# Altium PCB Booster_Main_Board.PcbDoc (part 13 of 13)
Units mm, origin at the board's own origin, x right, y up, seen from the top; angles counter-clockwise.
Board outline 400.01 x 117.51 mm, 4 copper layers (Component Side, Signal Layer 1, Power Plane, Solder Side), stack 1.604 mm thick; 1091 components, 573 nets, 3133 pads, 1954 vias.
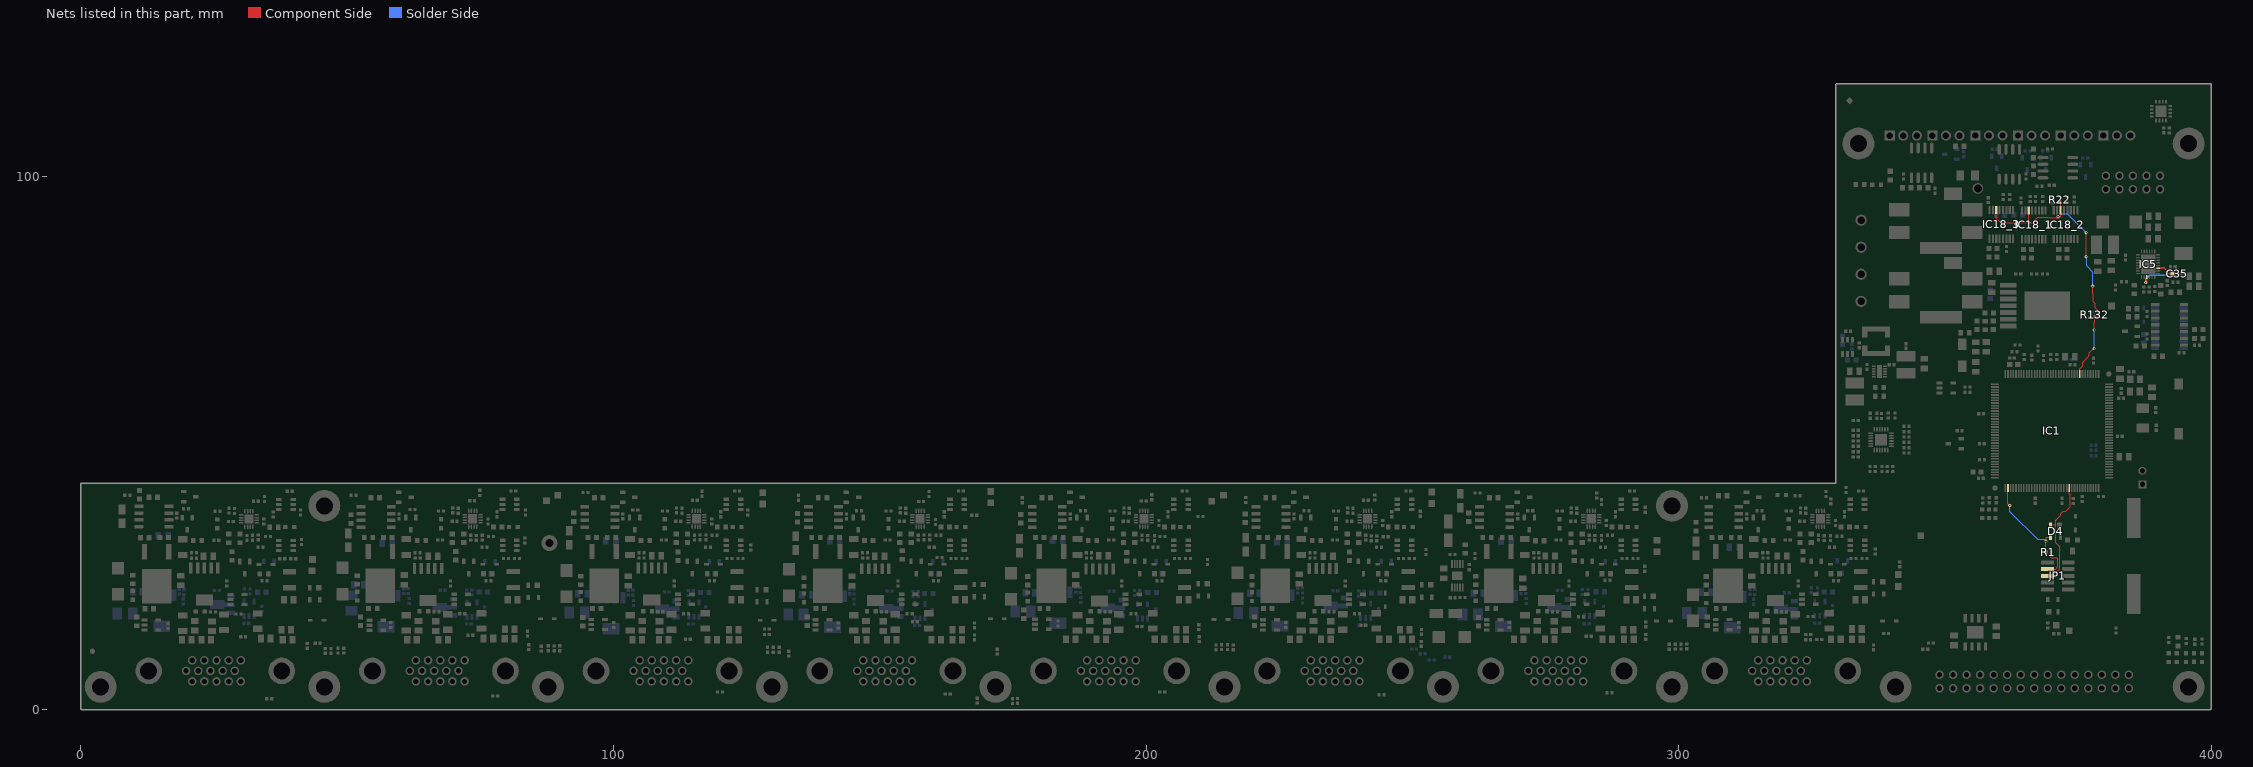
[diagram p15: the nets of this part, all layers, seen from the top]

## Via types
v1: diameter 0.6, hole 0.3, Component Side to Solder Side, tented both sides, 1808 vias
v2: diameter 0.6, hole 0.3, Component Side to Solder Side, 77 vias
v3: diameter 0.5, hole 0.3, Component Side to Solder Side, 40 vias
v4: diameter 1.27, hole 0.711, Component Side to Solder Side, tented both sides, 24 vias
v5: diameter 1.2, hole 0.8, Component Side to Solder Side, tented both sides, 5 vias

## Nets (pads, with @x,y where several pads share a name; then routed paths per layer and width w, separated by ;. In a path a pad name is that pad's centre, name@x,y a point inside that pad or via, vN(x,y) a via of type N, cw(c..) or ccw(c..) an arc to the next point about the centre after c; other vN are vias at no path point) (continued)
TDI: D4.3 IC1.110 JP1.8 R1.2 | length 23.6
  Component Side w0.152: IC1.110@361.803,41.599 361.803,38.679 v1(362.153,38.329) ; JP1.8@369.22,26.365 370.738,26.365 371.196,26.822 371.196,28.219 370.929,28.486 369.964,28.486 368.922,29.528 R1.2@368.922,29.566 368.935,29.578 v1(368.935,31.623) 368.978,31.666 368.978,32.254 369.078,32.354 D4.3@369.778,32.354
  Solder Side w0.152: v1(362.153,38.329) 362.153,37.133 367.359,31.928 368.579,31.928 368.884,31.623 v1(368.935,31.623)
TDO: D4.2 IC1.133 JP1.6 | length 19.6
  Component Side w0.152: D4.2@369.778,34.654 370.65,34.654 370.75,34.754 ; JP1.6@370.307,25.273 371.5,26.467 371.5,30.526 370.75,31.277 370.75,34.754 ; IC1.133@373.303,41.599 373.303,40.474 373.477,40.299 373.477,38.041 372.678,37.243 372.219,37.243 371.699,36.723 371.699,36.473 370.75,35.524 370.75,34.754
THERMN: IC1.44 IC18_1.6 IC18_2.6 IC18_3.6 R22.2 R132.1 | length 55.6
  Component Side w0.152: IC18_3.6@359.601,93.804 359.601,92.254 360.473,91.381 365.669,91.381 v1(365.696,91.408) ; IC18_1.6@365.701,93.704 365.701,91.414 v1(365.696,91.408) ; v1@371.193,92.304 369.726,92.304 369.572,92.458 367.384,92.458 366.807,91.88 366.807,91.685 366.497,91.375 365.729,91.375 v1(365.696,91.408) ; v1(371.193,92.527) 371.576,92.527 371.676,92.627 IC18_2.6@371.676,93.754 371.676,95.137 R22.2@371.528,95.284 ; IC1.44@375.303,62.999 375.303,63.996 375.811,64.504 375.811,65.158 377.007,66.354 377.007,66.488 377.062,66.542 377.062,67.018 377.797,67.754 v1(377.977,67.754) ; v1(376.477,85.004) v1(376.478,89.504) ; v1(377.728,79.504) 377.728,79.004 377.756,78.976 377.756,78.285 377.768,78.273 377.768,76.572 378.159,76.18 378.159,75.45 378.249,75.361 378.309,75.361 378.666,75.004 378.666,74.198 378.148,73.679 R132.1@378.128,73.679 378.128,72.839 377.978,72.689 v1(377.978,71.254)
  Solder Side w0.152: v1(371.193,92.527) 371.458,92.527 371.48,92.504 372.009,93.032 372.95,93.032 v1(376.478,89.504) ; v1(376.477,85.004) 376.562,84.92 376.562,83.283 377.728,82.116 v1(377.728,79.504) ; v1(377.977,67.754) v1(377.978,71.254)
VIN_REG_N7: C35.2 IC5.11 IC5.17 | length 9.8
  Component Side w0.254: v1(387.677,80.152) 387.677,80.33 387.858,80.512 IC5.11@387.858,81.207 ; IC5.17@390.008,82.857 390.518,82.857 390.598,82.936 391.086,82.936 391.664,82.358 v1(391.664,81.753) 391.69,81.778 C35.2@392.769,81.778
  Solder Side w0.254: v1(387.677,80.152) 387.677,80.787 388.443,81.554 391.466,81.554 v1(391.664,81.753)
pads on no net: FTG1.FTG2 FTG2.FTG2 FTG3.1 FTG4.1 IC1.7 IC1.8 IC1.9 IC1.46 IC1.47 IC1.50 IC1.53 IC1.87 IC1.88 IC1.92 IC1.96 IC1.97 IC1.100 IC1.112 IC1.113 IC1.135 IC1.FTG1 IC1.FTG2 IC3.5 IC4.4 IC4.7 IC8.4 IC9_1.7 IC9_2.7 IC9_3.7 IC9_4.7 IC9_5.7 IC9_6.7 IC9_7.7 IC9_8.7 IC12.7 IC18_1.7 IC18_2.7 IC18_3.7 IC24.11 IC25.1 IC25.2 IC25.14 JP1.7 JP1.9 U1_1.8 U1_2.8 U1_3.8 U1_4.8 U1_5.8 U1_6.8 U1_7.8 U1_8.8

## Polygon pours and split planes (outlines as drawn)
P30V0 on Solder Side "Solder Side-No Net" (solid, remove dead copper, pour order 58): 344.728,66.254 351.728,73.254 351.728,80.837 354.478,83.587 354.478,95.254 338.978,95.254 330.478,86.754 330.478,42.504 0.228,42.504 0.228,25.504 339.728,25.504 344.728,30.504
P6V5 on Solder Side "Solder Side-No Net" (solid, remove dead copper, pour order 68): 334.128,10.654 351.728,28.254 351.728,63.254 353.728,65.254 353.728,71.504 350.522,71.504 344.728,65.711 344.728,30.254 339.728,25.254 21.728,25.254 21.683,20.154 31.574,10.654
GND on Solder Side "ML1_BAL" (solid, remove dead copper, pour order 48): 0.728,25.254 21.478,25.254 21.478,20.004 31.119,10.363 334.741,10.363 352.228,27.85 352.228,29.754 352.228,63.254 352.728,63.754 353.978,65.004 353.978,66.254 353.978,72.004 352.228,72.004 352.228,80.754 352.728,81.254 354.978,83.504 354.978,85.754 354.978,95.59 380.728,95.59 380.728,79.254 383.978,76.004 387.728,76.004 395.978,76.004 397.228,77.254 397.228,78.754 397.228,94.254 396.978,94.504 396.909,94.435 388.228,94.435 384.722,94.435 383.153,96.004 352.728,96.004 345.978,96.004 339.228,96.004 334.478,91.254 331.728,88.504 331.478,88.504 330.728,87.754 330.228,87.254 329.754,87.254 329.978,87.479 329.978,110.254 399.478,110.254 399.728,110.004 399.478,109.754 399.478,0.66 0.728,0.66
N8V0 on Solder Side "Top-No Net" (solid, remove dead copper, pour order 28): 381.028,93.754 396.728,93.754 396.728,77.254 395.728,76.254 388.728,76.254 385.728,76.254 384.228,76.254 383.228,77.254 381.028,79.454
P3V3 on Signal Layer 1 "Signal Layer 1-P3V3" (solid, remove dead copper, pour order 78): 338.228,36.073 346.048,36.073 346.228,36.254 346.228,36.754 344.228,38.754 344.228,85.254 377.228,85.254 377.228,93.938 378.159,94.869 395.113,94.869 395.113,74.639 394.728,74.254 386.728,74.254 380.728,80.254 351.228,80.254 351.228,40.772 351.211,40.754 361.228,30.736 361.228,20.754 353.228,12.754 347.358,12.754 346.728,12.124 346.728,0.754 399.228,0.754 399.728,0.754 399.728,116.535 329.728,116.535 329.728,42.779 329.754,42.754 329.228,42.754 329.228,41.754 0.233,41.754 0.472,1.295 27.478,1.295 27.478,11.254 26.228,12.504 26.228,16.254 26.228,17.254 26.938,17.964 338.228,17.964
N8V0 on Signal Layer 1 "Signal Layer 1-No Net" (solid, remove dead copper, pour order 66): 384.428,80.754 384.428,84.454 384.428,94.166 377.728,94.166 377.728,84.807 350.478,84.754 344.728,84.754 344.728,39.004 351.663,32.069 351.663,20.254 340.437,20.254 336.866,17.606 27.062,17.606 27.062,12.254 336.728,12.254 345.728,12.254 346.728,13.254 352.728,13.254 360.728,21.254 360.728,30.254 350.478,40.504 350.478,80.754
N8V0R on Signal Layer 1 "Signal Layer 1-No Net 1" (solid, remove dead copper, pour order 76): 384.928,94.254 394.728,94.254 394.728,75.054 394.328,74.654 386.928,74.654 384.828,76.754 384.828,94.154
P12V0 on Component Side "Top-No Net" (solid, remove dead copper, pour order 26): 353.328,82.254 375.728,82.254 376.728,83.254 376.728,84.254 377.228,84.754 386.728,84.754 386.728,83.254 385.728,83.254 381.728,79.254 353.328,79.254
P3V3 on Component Side "ML1_BAL" (solid, remove dead copper, pour order 32): 334.969,68.104 340.228,68.079 340.228,71.004 345.478,71.004 348.478,68.004 348.978,67.504 348.978,66.004 348.978,64.004 347.728,62.754 345.228,60.254 344.228,60.254 340.728,60.254 340.228,60.754 338.728,62.254 338.728,63.754 338.728,64.504 337.978,65.254 334.978,65.254
N8V0R on Component Side "Signal Layer 1-No Net 1" (solid, remove dead copper, pour order 70): 389.228,93.954 389.228,87.654 388.128,87.654 387.928,87.454 387.928,85.524 387.828,85.424 387.828,84.954 387.658,84.954 387.358,84.654 385.228,84.654 384.828,85.054 380.228,85.054 380.228,85.154 380.228,89.654 387.328,89.654 387.328,93.754 387.528,93.954
GND on Component Side "Signal Layer 1-No Net 1" (solid, pour order 62): 345.228,88.754 352.728,88.754 352.728,91.254 357.728,91.254 357.728,85.254 357.628,85.154 357.628,84.154 359.228,84.154 359.228,81.754 345.228,81.754
P30V0 on Component Side "Signal Layer 1-No Net 1" (solid, remove dead copper, pour order 60): 345.228,89.254 352.228,89.254 352.228,91.754 357.228,91.754 357.228,101.535 357.009,101.754 354.228,101.754 354.228,96.754 353.728,96.254 345.228,96.254
NetC23_2 on Component Side "ML1_BAL" (solid, remove dead copper, pour order 38): 388.265,87.513 397.478,87.513 397.478,83.004 395.228,83.004 394.978,82.754 393.478,82.754 391.933,82.754 391.478,83.209 391.183,83.504 389.478,83.504 389.478,85.254 389.228,85.504 387.978,85.504
GND on Component Side "Signal Layer 1-No Net 1" (solid, remove dead copper, pour order 64): 357.728,78.754 344.228,78.754 344.228,71.754 354.728,71.754 354.728,74.254 358.228,74.254 358.228,76.594 358.888,77.254 359.728,77.254 359.728,78.754
GND on Component Side "ML1_BAL" (solid, remove dead copper, pour order 36): 389.478,94.004 389.478,87.504 397.478,87.504 397.478,93.754 397.228,94.004 389.728,94.004
N8V0 on Component Side "Signal Layer 1-No Net 1" (solid, remove dead copper, pour order 72): 383.128,93.554 383.128,89.954 380.028,89.954 380.028,84.954 379.928,84.854 379.828,84.954 377.206,84.954 376.828,85.332 376.828,92.354 378.028,93.554
GND on Component Side "Signal Layer 1-No Net 1" (solid, remove dead copper, pour order 74): 383.328,93.554 387.276,93.554 387.276,89.754 383.328,89.754
GND on Power Plane (split plane): 399.472,0.51 0.484,0.51 0.484,41.998 329.499,41.998 329.599,42.008 329.695,42.037 329.783,42.084 329.86,42.147 329.924,42.225 329.971,42.313 330,42.409 330.01,42.508 330.01,116.998 399.472,116.998

## Keep-outs
Keep-Out Layer:
  lines w0.1: 329.728,42.254 0.228,42.254 0.228,0.374 399.728,0.374 399.728,117.254 329.754,117.254 329.754,42.33

## Other copper
Component Side:
  rectangle net GND: 71.86,27.82 72.504,28.321
  rectangle net GND: 183.228,36.454 183.828,37.054
  rectangle net GND: 370.835,87.317 371.041,87.654
  rectangle net I2C6_SCL: 341.655,49.954 342.107,50.394
  rectangle net NetC23_2: 388.358,86.584 389.928,86.882
  rectangle net Output_overdrive0: 45.628,9.854 46.128,10.389
  rectangle net NetD6_1_2: 328.77,17.78 329.332,18.254
  rectangle net NetC23_2: 390.471,83.854 391.183,85.854
  rectangle net TACH1: 368.078,94.403 368.428,95.154
  rectangle net TACH2: 366.803,94.403 367.157,95.22
  rectangle net P3V3: 302.86,36.936 303.728,38.954
  rectangle net P3V3: 302.428,23.177 303.628,25.308
  rectangle net NetR12_1_2: 308.128,28.756 310.628,30.879
  rectangle net NetR12_2_2: 265.429,29.34 267.128,30.543
  rectangle net NetR12_3_2: 223.628,29.354 225.265,30.734
  rectangle net P12V0: 384.528,83.857 385.728,84.354
  rectangle net P30V0: 345.728,89.754 351.728,93.754
  rectangle net NetC21_2: 384.164,23.495 386.664,27.995
  rectangle net P6V5: 350.728,67.679 352.378,69.329
  rectangle net GND: 345.415,62.89 346.812,63.551
  region net GND: 331.692,62.612 331.692,64.612 330.911,64.612 330.911,62.612
  rectangle net P3V3: 338.43,64.567 339.065,65.43
  region net GND: 386.588,29.337 386.588,36.728 384.251,36.728 384.251,29.337
  rectangle net P30V0: 59.374,30.738 62.549,32.643
  rectangle net GND: 60.237,26.978 61.99,29.01
  rectangle net GND: 79.617,18.647 80.71,20.146
  rectangle net GND: 63.184,16.158 66.968,17.707
  rectangle net GND: 62.701,16.082 64.022,18.825
  rectangle net GND: 62.599,18.749 64.047,21.619
  rectangle net P6V5: 66.13,23.346 66.79,25.734
  rectangle net P6V5: 66.333,23.346 67.629,25.2
  rectangle net GND: 64.733,23.321 65.622,29.645
  rectangle net P30V0: 101.374,30.738 104.549,32.643
  rectangle net GND: 102.237,26.978 103.99,29.01
  rectangle net GND: 121.617,18.647 122.71,20.146
  rectangle net GND: 105.184,16.158 108.968,17.707
  rectangle net GND: 104.701,16.082 106.022,18.825
  rectangle net GND: 104.599,18.749 106.047,21.619
  rectangle net P6V5: 108.13,23.346 108.79,25.734
  rectangle net P6V5: 108.333,23.346 109.629,25.2
  rectangle net GND: 106.733,23.321 107.622,29.645
  rectangle net P30V0: 143.374,30.738 146.549,32.643
  rectangle net GND: 144.237,26.978 145.99,29.01
  rectangle net GND: 163.617,18.647 164.71,20.146
  rectangle net GND: 147.184,16.158 150.968,17.707
  rectangle net GND: 146.701,16.082 148.022,18.825
  rectangle net GND: 146.599,18.749 148.047,21.619
  rectangle net P6V5: 150.13,23.346 150.79,25.734
  rectangle net P6V5: 150.333,23.346 151.629,25.2
  rectangle net GND: 148.733,23.321 149.622,29.645
  rectangle net P30V0: 185.374,30.738 188.549,32.643
  rectangle net GND: 186.237,26.978 187.99,29.01
  rectangle net GND: 205.617,18.647 206.71,20.146
  rectangle net GND: 189.184,16.158 192.968,17.707
  rectangle net GND: 188.701,16.082 190.022,18.825
  rectangle net GND: 188.599,18.749 190.047,21.619
  rectangle net P6V5: 192.13,23.346 192.79,25.734
  rectangle net P6V5: 192.333,23.346 193.629,25.2
  rectangle net GND: 190.733,23.321 191.622,29.645
  rectangle net P30V0: 227.374,30.738 230.549,32.643
  rectangle net GND: 228.237,26.978 229.99,29.01
  rectangle net GND: 247.617,18.647 248.71,20.146
  rectangle net GND: 231.184,16.158 234.968,17.707
  rectangle net GND: 230.701,16.082 232.022,18.825
  rectangle net GND: 230.599,18.749 232.047,21.619
  rectangle net P6V5: 234.13,23.346 234.79,25.734
  rectangle net P6V5: 234.333,23.346 235.629,25.2
  rectangle net GND: 232.733,23.321 233.622,29.645
  rectangle net P30V0: 269.374,30.738 272.549,32.643
  rectangle net GND: 270.237,26.978 271.99,29.01
  rectangle net GND: 289.617,18.647 290.71,20.146
  rectangle net GND: 273.184,16.158 276.968,17.707
  rectangle net GND: 272.701,16.082 274.022,18.825
  rectangle net GND: 272.599,18.749 274.047,21.619
  rectangle net P6V5: 276.13,23.346 276.79,25.734
  rectangle net P6V5: 276.333,23.346 277.629,25.2
  rectangle net GND: 274.733,23.321 275.622,27.656
  rectangle net P30V0: 312.374,30.738 315.549,32.643
  rectangle net GND: 313.237,26.978 314.99,29.01
  rectangle net GND: 332.617,18.647 333.71,20.146
  rectangle net GND: 316.184,16.158 319.968,17.707
  rectangle net GND: 315.701,16.082 317.022,18.825
  rectangle net GND: 315.599,18.749 317.047,21.619
  rectangle net P6V5: 319.13,23.346 319.79,25.734
  rectangle net P6V5: 319.333,23.346 320.629,25.2
  rectangle net GND: 317.733,23.321 318.622,29.645
  rectangle net GND: 21.184,16.129 24.968,17.678
  rectangle net GND: 20.701,16.053 22.022,18.796
  rectangle net GND: 22.733,23.292 23.622,29.616
  rectangle net GND: 18.237,26.949 19.99,28.981
  rectangle net P6V5: 24.13,23.317 24.79,25.705
  rectangle net P6V5: 24.333,23.317 25.629,25.171
  rectangle net P30V0: 17.374,30.709 20.549,32.614
  rectangle net GND: 37.617,18.618 38.71,20.117
  rectangle net GND: 20.599,18.72 22.047,21.59
  rectangle net NetC50_2: 334.035,63.297 336.347,64.11
  rectangle net NetC50_2: 333.248,60.96 334.493,63.144
  rectangle net NetC21_2: 358.877,15.24 360.782,19.177
  rectangle net NetC21_2: 353.466,18.186 360.782,19.355
  rectangle net NetC21_2: 357.302,17.729 357.861,18.771
  rectangle net NetC21_2: 353.466,17.704 354.076,18.644
  rectangle net NetC21_2: 393.268,17.882 396.037,20.726
  rectangle net GND: 350.952,13.284 360.299,14.376
  rectangle net GND: 38.862,15.494 40.03,16.789
  rectangle net GND: 80.874,15.646 82.042,16.942
  rectangle net GND: 122.86,15.697 124.028,16.993
  rectangle net GND: 164.846,15.672 166.014,16.967
  rectangle net GND: 206.883,15.646 208.051,16.942
  rectangle net GND: 248.844,15.672 250.012,16.967
  rectangle net GND: 290.855,15.596 292.024,16.891
  rectangle net GND: 333.883,15.596 335.026,17.424
  rectangle net GND: 350.444,13.056 358.521,16.078
  rectangle net GND: 358.369,11.303 360.578,14.097
  rectangle net P30V0: 213.228,31.754 216.728,36.754
  rectangle net P30V0: 86.978,30.504 89.228,37.004
  rectangle net P30V0: 170.228,31.754 174.228,36.254
  rectangle net P30V0: 128.478,31.004 132.478,36.504
Signal Layer 1:
  rectangle net GND: 38.928,15.608 39.911,16.637
  rectangle net GND: 80.97,15.754 81.928,16.777
  rectangle net GND: 164.921,15.786 165.928,16.802
  rectangle net GND: 61.028,27.169 61.928,28.27
  rectangle net GND: 248.882,15.824 249.949,16.754
  rectangle net GND: 145.028,27.236 146.028,28.185
  rectangle net GND: 122.855,15.779 123.955,16.838
  rectangle net GND: 102.28,27.169 104.028,28.287
  rectangle net GND: 106.628,23.454 107.728,25.285
  rectangle net GND: 104.503,19.682 105.528,21.59
  rectangle net GND: 106.198,16.254 107.827,17.196
  rectangle net GND: 18.328,27.154 20.028,28.156
  rectangle net GND: 22.728,23.554 23.628,25.291
  rectangle net GND: 20.494,19.736 21.544,21.488
  rectangle net GND: 22.263,16.167 23.844,17.254
  rectangle net GND: 62.467,19.696 63.528,21.488
  rectangle net GND: 64.695,23.495 65.628,25.354
  rectangle net GND: 64.228,16.319 66.175,17.654
  rectangle net GND: 148.228,16.247 149.828,17.215
  rectangle net GND: 146.528,19.71 147.528,21.654
  rectangle net GND: 148.695,23.436 149.628,25.354
  rectangle net GND: 333.883,16.247 334.886,17.27
  rectangle net GND: 317.228,16.269 318.828,17.206
  rectangle net GND: 315.688,19.812 316.382,21.455
  rectangle net GND: 317.807,23.459 318.628,25.197
  rectangle net GND: 313.328,27.203 315.006,28.185
  rectangle net GND: 290.863,15.689 291.928,16.679
  rectangle net GND: 272.652,19.825 273.528,21.403
  rectangle net GND: 274.244,16.218 275.828,17.225
  rectangle net GND: 274.828,23.495 275.628,25.476
  rectangle net GND: 270.369,27.174 271.982,28.254
  rectangle net GND: 232.228,16.254 233.728,17.215
  rectangle net GND: 232.828,23.477 233.528,25.204
  rectangle net GND: 230.709,19.825 231.466,21.454
  rectangle net GND: 228.348,27.154 229.99,28.267
  rectangle net GND: 206.97,15.76 207.928,16.754
  rectangle net GND: 190.263,16.269 191.795,17.225
  rectangle net GND: 188.581,19.714 189.285,21.59
  rectangle net GND: 190.911,23.524 191.444,25.226
  rectangle net GND: 186.328,27.261 188.028,28.185
  rectangle net P30V0: 86.995,35.835 89,36.72
Solder Side:
  rectangle net GND: 388.798,110.871 392.125,113.767
  rectangle net GND: 308.456,13.028 311.516,16.032
  rectangle net GND: 264.688,13.415 268.957,16.419
  rectangle net GND: 222.814,13.658 227.014,16.661
  rectangle net GND: 181.333,13.764 185.178,16.767
  rectangle net GND: 139.671,13.176 142.731,16.18
  rectangle net GND: 98.037,13.099 101.097,16.103
  rectangle net GND: 13.552,13.577 17.004,15.659
  rectangle net GND: 55.844,13.272 58.904,16.275
  rectangle net GND: 232.212,16.244 233.806,17.272
  rectangle net GND: 38.928,15.584 39.868,16.625
  rectangle net GND: 80.911,15.754 81.939,16.754
  rectangle net GND: 333.927,16.262 334.844,17.272
  rectangle net GND: 230.546,19.66 231.528,21.629
  rectangle net GND: 22.721,23.477 23.724,25.254
  rectangle net GND: 232.7,23.477 233.628,25.273
  rectangle net GND: 18.377,27.151 19.928,28.254
  rectangle net GND: 102.398,27.18 103.968,28.287
  rectangle net GND: 186.428,27.178 187.928,28.261
  rectangle net GND: 228.428,27.194 229.968,28.264
  rectangle net GND: 313.276,27.135 314.988,28.254
  rectangle net GND: 317.771,23.383 318.726,25.234
  rectangle net GND: 315.512,19.714 316.583,21.654
  rectangle net GND: 317.228,16.269 318.798,17.219
  rectangle net GND: 290.893,15.688 291.928,16.688
  rectangle net GND: 270.328,27.154 271.986,28.206
  rectangle net GND: 274.628,23.354 275.724,25.273
  rectangle net GND: 272.517,19.685 273.528,21.59
  rectangle net GND: 274.165,16.247 275.806,17.246
  rectangle net GND: 248.828,15.794 249.928,16.749
  rectangle net GND: 206.909,15.754 207.927,16.754
  rectangle net GND: 190.677,23.495 191.728,25.354
  rectangle net GND: 188.572,20.16 189.471,21.403
  rectangle net GND: 190.239,16.269 191.818,17.215
  rectangle net GND: 164.91,15.794 165.9,16.749
  rectangle net GND: 145.028,27.284 146.028,28.154
  rectangle net GND: 148.692,23.436 149.628,25.354
  rectangle net GND: 146.528,20.203 147.487,21.654
  rectangle net GND: 148.279,16.294 149.806,17.219
  rectangle net GND: 122.928,15.811 123.929,16.749
  rectangle net GND: 106.228,16.254 107.828,17.186
  rectangle net GND: 104.517,19.66 105.527,21.553
  rectangle net GND: 106.628,23.506 107.698,25.16
  rectangle net GND: 60.999,27.287 62.028,28.185
  rectangle net GND: 64.708,23.495 65.628,25.375
  rectangle net GND: 64.272,16.218 65.793,17.254
  rectangle net GND: 62.546,19.654 63.52,21.654
  rectangle net N8V0: 193.928,18.454 194.263,19.685
  rectangle net N8V0: 235.728,18.761 236.028,19.919
  rectangle net N8V0: 277.871,18.574 278.067,19.66
  rectangle net N8V0: 320.428,18.335 320.632,19.449
  rectangle net N8V0: 26.802,19.054 27.028,20.175
  rectangle net N8V0: 68.602,18.554 68.828,19.71
  rectangle net N8V0: 110.328,18.335 110.541,19.422
  rectangle net N8V0: 152.505,18.356 152.828,19.533
  rectangle net P30V0: 312.328,30.658 315.532,32.69
  rectangle net NetR12_2_2: 265.429,29.34 267.128,30.543
  rectangle net P30V0: 269.328,30.632 272.459,32.504
  rectangle net NetR12_3_2: 223.628,29.283 225.265,30.632
  rectangle net P30V0: 227.353,30.759 230.628,32.585
  rectangle net P30V0: 185.228,30.749 188.528,32.654
  rectangle net NetR12_8_2: 14.128,29.854 15.533,31.635
  rectangle net P30V0: 17.328,30.754 20.263,32.585
  rectangle net P30V0: 59.228,30.759 62.528,32.454
  rectangle net NetR12_7_2: 55.228,29.312 56.928,30.304
  rectangle net NetR12_6_2: 97.678,29.322 99.228,30.704
  rectangle net P30V0: 101.328,30.584 104.628,32.69
  rectangle net P30V0: 143.278,30.658 146.528,32.654
  rectangle net NetR12_5_2: 139.528,29.185 141.328,30.632
  rectangle net NetR12_4_2: 181.428,28.854 183.265,30.658
  rectangle net NetC21_2: 384.251,25.654 386.156,28.067
  rectangle net P30V0: 84.478,33.004 92.228,34.504
  rectangle net GND: 365.402,72.928 373.054,78.58
  rectangle net NetC21_2: 358.902,15.979 360.829,19.152
  rectangle net NetC21_2: 393.395,18.059 395.884,20.345
  rectangle net GND: 349.047,10.211 358.521,18.059
Power Plane (plane layer: these items are gaps in the copper):
  rectangle: 346.228,90.254 350.728,93.254

## Silkscreen, mask and mechanical layers (free items; w line width, h text height)
Top Overlay:
  text "P1_3" at 390.855,104.14 h1 r90
  text "DXN" at 386.069,103.504 h1 r90
  text "P30V0" at 357.228,103.254 h1 r270
  text "P2_3" at 388.319,103.254 h1 r90
  text "P2_1" at 381.069,103.004 h1 r90
  text "P1_1" at 383.691,102.918 h1 r90
  text "30V" at 334.188,100.94 h1.52
  text "ERROR" at 334.086,99.314 h1.02
  text "30V" at 334.585,95.788 h1.52
  text "P12" at 387.675,94.099 h0.64
  text "N3" at 390.855,94.099 h0.64
  text "G" at 379.944,94.05 h0.64
  text "N1" at 382.219,94.05 h0.64
  text "P22" at 384.15,94.05 h0.64
  text "G" at 339.728,86.254 h1.52
  text "12V" at 339.728,83.754 h1.52
  text "PG / N8V0" at 379.228,77.254 h0.76
  text "GND" at 339.699,72.395 h1.52
  text "RESET" at 397.815,54.458 h0.76 r90
  text "SCL" at 215.809,40.249 h1.2
  text "SCL" at 171.971,40.12 h1.2
  text "SCL" at 254.619,39.862 h1.2
  text "SCL" at 129.371,39.72 h1.2
  text "SCL" at 90.678,39.472 h1.2
  text "SDA" at 171.846,38.049 h1.2
  text "REF_3V3" at 316.165,37.959 h1.15
  text "SDA" at 254.631,37.755 h1.2
  text "SDA" at 129.246,37.649 h1.2
  text "SDA" at 213.593,37.389 h1.2
  text "SDA" at 88.748,37.363 h1.2
  text "Booster / Main board / v1.6.2" at 339.7,36.271 h1.52
  text "CH1" at 86.713,34.529 h1.2 r90
  text "CH4" at 213.221,34.389 h1.2 r90
  text "AL" at 41.328,34.154 h1.2
  text "CH3" at 171.526,33.934 h1.2 r90
  text "CH5" at 254.103,33.854 h1.2 r90
  text "AL" at 336.428,33.654 h1.2
  text "CH2" at 129.154,33.529 h1.2 r90
  text "AL" at 209.428,33.135 h1.2
  text "AL" at 293.228,32.954 h1.2
  text "AL" at 82.993,32.688 h1.2
  text "AL" at 167.053,32.554 h1.2
  text "AL" at 125.088,32.531 h1.2
  text "AL" at 250.828,32.388 h1.2
  text "SDA" at 297.328,31.06 h1.2
  text "LD10" at 356.978,30.754 h1 r90
  text "LD9" at 358.728,30.754 h1 r90
  text "LD11" at 360.228,30.754 h1 r90
  text "CH0" at 44.355,29.379 h1.2 r90
  text "SCL" at 297.168,28.92 h1.2
  text "SDA" at 44.682,28.016 h1.2
  text "P30V0" at 88.9,24.795 h1 r90
  text "CH6" at 296.596,24.536 h1.2 r90
  text "SCL" at 46.332,24.312 h1.2 r90
  text "SDA" at 342.528,23.858 h1.2
  text "28V" at 303.708,23.089 h1.2 r90
  text "SCL" at 342.368,21.718 h1.2
  text "5V" at 18.428,18.754 h1.2
  text "28V" at 47.643,18.693 h1.2
  text "5V" at 60.028,18.656 h1.2
  text "5V" at 185.926,18.554 h1.2
  text "5V" at 269.588,18.554 h1.2
  text "5V" at 101.926,18.454 h1.2
  text "5V" at 227.928,18.454 h1.2
  text "5V" at 143.828,18.444 h1.2
  text "5V" at 312.628,18.444 h1.2
  text "CH7" at 342.138,18.044 h1.2 r90
  text "P30V0" at 393.228,17.779 h0.76 r270
  text "28V" at 90.119,17.756 h1.2
  text "28V" at 215.595,17.653 h1.2
  text "28V" at 6.036,17.625 h1.2
  text "28V" at 131.647,17.618 h1.2
  text "P6V5" at 394.844,17.1 h0.76 r270
  text "N8V0" at 391.703,17.079 h0.76 r270
  text "P3V3" at 396.394,17.074 h0.76 r270
  text "P5V0" at 397.968,16.998 h0.76 r270
  text "28V" at 261.376,16.986 h1.2 r90
  text "SCL" at 372.207,16.103 h1.2
  text "28V" at 176.399,15.748 h1.2 r90
  text "SDA" at 374.759,14.035 h1.2
Mechanical 1:
  drawing of 301 lines, arcs and shapes, not listed
  text "Layer" at 198.732,94.488 h1.52
  text "Name" at 209.144,94.488 h1.52
  text "Material" at 233.013,94.488 h1.52
  text "Thickness" at 254.851,94.488 h1.52
  text "Constant" at 271.357,94.488 h1.52
  text "Board Layer Stack" at 285.831,94.488 h1.52
  text "Top Overlay" at 209.144,91.44 h1.52
  text "Top Solder" at 209.144,88.392 h1.52
  text "Solder Resist" at 233.013,88.392 h1.52
  text "0,010mm" at 254.851,88.392 h1.52
  text "3.5" at 271.357,88.392 h1.52
  text "1" at 198.732,85.344 h1.52
  text "Component Side" at 209.144,85.344 h1.52
  text "0,056mm" at 254.851,85.344 h1.52
  text "Dielectric 1" at 209.144,82.296 h1.52
  text "FR-4" at 233.013,82.296 h1.52
  text "0,360mm" at 254.851,82.296 h1.52
  text "4.8" at 271.357,82.296 h1.52
  text "2" at 198.732,79.248 h1.52
  text "Signal Layer 1" at 209.144,79.248 h1.52
  text "0,036mm" at 254.851,79.248 h1.52
  text "Dielectric 5" at 209.144,76.2 h1.52
  text "0,700mm" at 254.851,76.2 h1.52
  text "4.2" at 271.357,76.2 h1.52
  text "3" at 198.732,73.152 h1.52
  text "Power Plane" at 209.144,73.152 h1.52
  text "0,036mm" at 254.851,73.152 h1.52
  text "Dielectric 4" at 209.144,70.104 h1.52
  text "0,360mm" at 254.851,70.104 h1.52
  text "4.2" at 271.357,70.104 h1.52
  text "4" at 198.732,67.056 h1.52
  text "Solder Side" at 209.144,67.056 h1.52
  text "0,056mm" at 254.851,67.056 h1.52
  text "Bottom Solder" at 209.144,64.008 h1.52
  text "Solder Resist" at 233.013,64.008 h1.52
  text "0,010mm" at 254.851,64.008 h1.52
  text "3.5" at 271.357,64.008 h1.52
  text "Bottom Overlay" at 209.144,60.96 h1.52
Top Courtyard:
  text "DNU" at 341.103,114.808 h1.02
Mechanical 8:
  lines w0.1: 51.728,0.254 93.728,0.254 ; 93.728,-0.746 135.728,-0.746 ; 135.728,0.254 177.728,0.254 ; 177.728,-0.746 219.728,-0.746 ; 219.728,0.254 261.728,0.254
Drill Drawing:
  drawing of 295 lines, arcs and shapes, not listed
  text "Layer" at 198.756,94.468 h1.52
  text "Name" at 209.168,94.468 h1.52
  text "Material" at 233.037,94.468 h1.52
  text "Thickness" at 254.875,94.468 h1.52
  text "Constant" at 271.381,94.468 h1.52
  text "Board Layer Stack" at 285.856,94.468 h1.52
  text "Top Overlay" at 209.168,91.42 h1.52
  text "Top Solder" at 209.168,88.372 h1.52
  text "Solder Resist" at 233.037,88.372 h1.52
  text "0,010mm" at 254.875,88.372 h1.52
  text "3.5" at 271.381,88.372 h1.52
  text "1" at 198.756,85.324 h1.52
  text "Component Side" at 209.168,85.324 h1.52
  text "0,056mm" at 254.875,85.324 h1.52
  text "Dielectric 1" at 209.168,82.276 h1.52
  text "FR-4" at 233.037,82.276 h1.52
  text "0,360mm" at 254.875,82.276 h1.52
  text "4.8" at 271.381,82.276 h1.52
  text "2" at 198.756,79.228 h1.52
  text "Signal Layer 1" at 209.168,79.228 h1.52
  text "0,036mm" at 254.875,79.228 h1.52
  text "Dielectric 5" at 209.168,76.18 h1.52
  text "0,700mm" at 254.875,76.18 h1.52
  text "4.2" at 271.381,76.18 h1.52
  text "3" at 198.756,73.132 h1.52
  text "Power Plane" at 209.168,73.132 h1.52
  text "0,036mm" at 254.875,73.132 h1.52
  text "Dielectric 4" at 209.168,70.084 h1.52
  text "0,360mm" at 254.875,70.084 h1.52
  text "4.2" at 271.381,70.084 h1.52
  text "4" at 198.756,67.036 h1.52
  text "Solder Side" at 209.168,67.036 h1.52
  text "0,056mm" at 254.875,67.036 h1.52
  text "Bottom Solder" at 209.168,63.988 h1.52
  text "Solder Resist" at 233.037,63.988 h1.52
  text "0,010mm" at 254.875,63.988 h1.52
  text "3.5" at 271.381,63.988 h1.52
  text "Bottom Overlay" at 209.168,60.94 h1.52

## Text inside footprints (layer, text, board x,y; h text height)
CON2_1: Top Overlay "1" at 354.116,108.967 h1; Mechanical 14 "1" at 354.116,108.967 h1
CON2_2: Top Overlay "1" at 370.141,108.967 h1; Mechanical 14 "1" at 370.141,108.967 h1
CON2_3: Top Overlay "1" at 338.041,108.942 h1; Mechanical 14 "1" at 338.041,108.942 h1
CON42_1: Top Overlay "1" at 362.116,108.967 h1; Mechanical 14 "1" at 362.116,108.967 h1
CON42_2: Top Overlay "1" at 378.141,108.967 h1; Mechanical 14 "1" at 378.141,108.967 h1
CON42_3: Top Overlay "1" at 346.041,108.942 h1; Mechanical 14 "1" at 346.041,108.942 h1
J2: Top Overlay "30" at 349.583,2.587 h1.02 r180; Mechanical 14 "30" at 349.583,2.587 h1.02 r180
J3: Top Overlay "4" at 335.713,77.019 h1.2 r270; Top Overlay "1" at 335.713,91.984 h1.2 r270; Mechanical 14 "4" at 335.713,77.019 h1.2 r270; Mechanical 14 "1" at 335.713,91.984 h1.2 r270
J4: Top Overlay "10" at 380.822,96.393 h1.02 r180; Mechanical 14 "10" at 380.822,96.393 h1.02 r180